# KiCad board FPGA_Board_BA.kicad_pcb
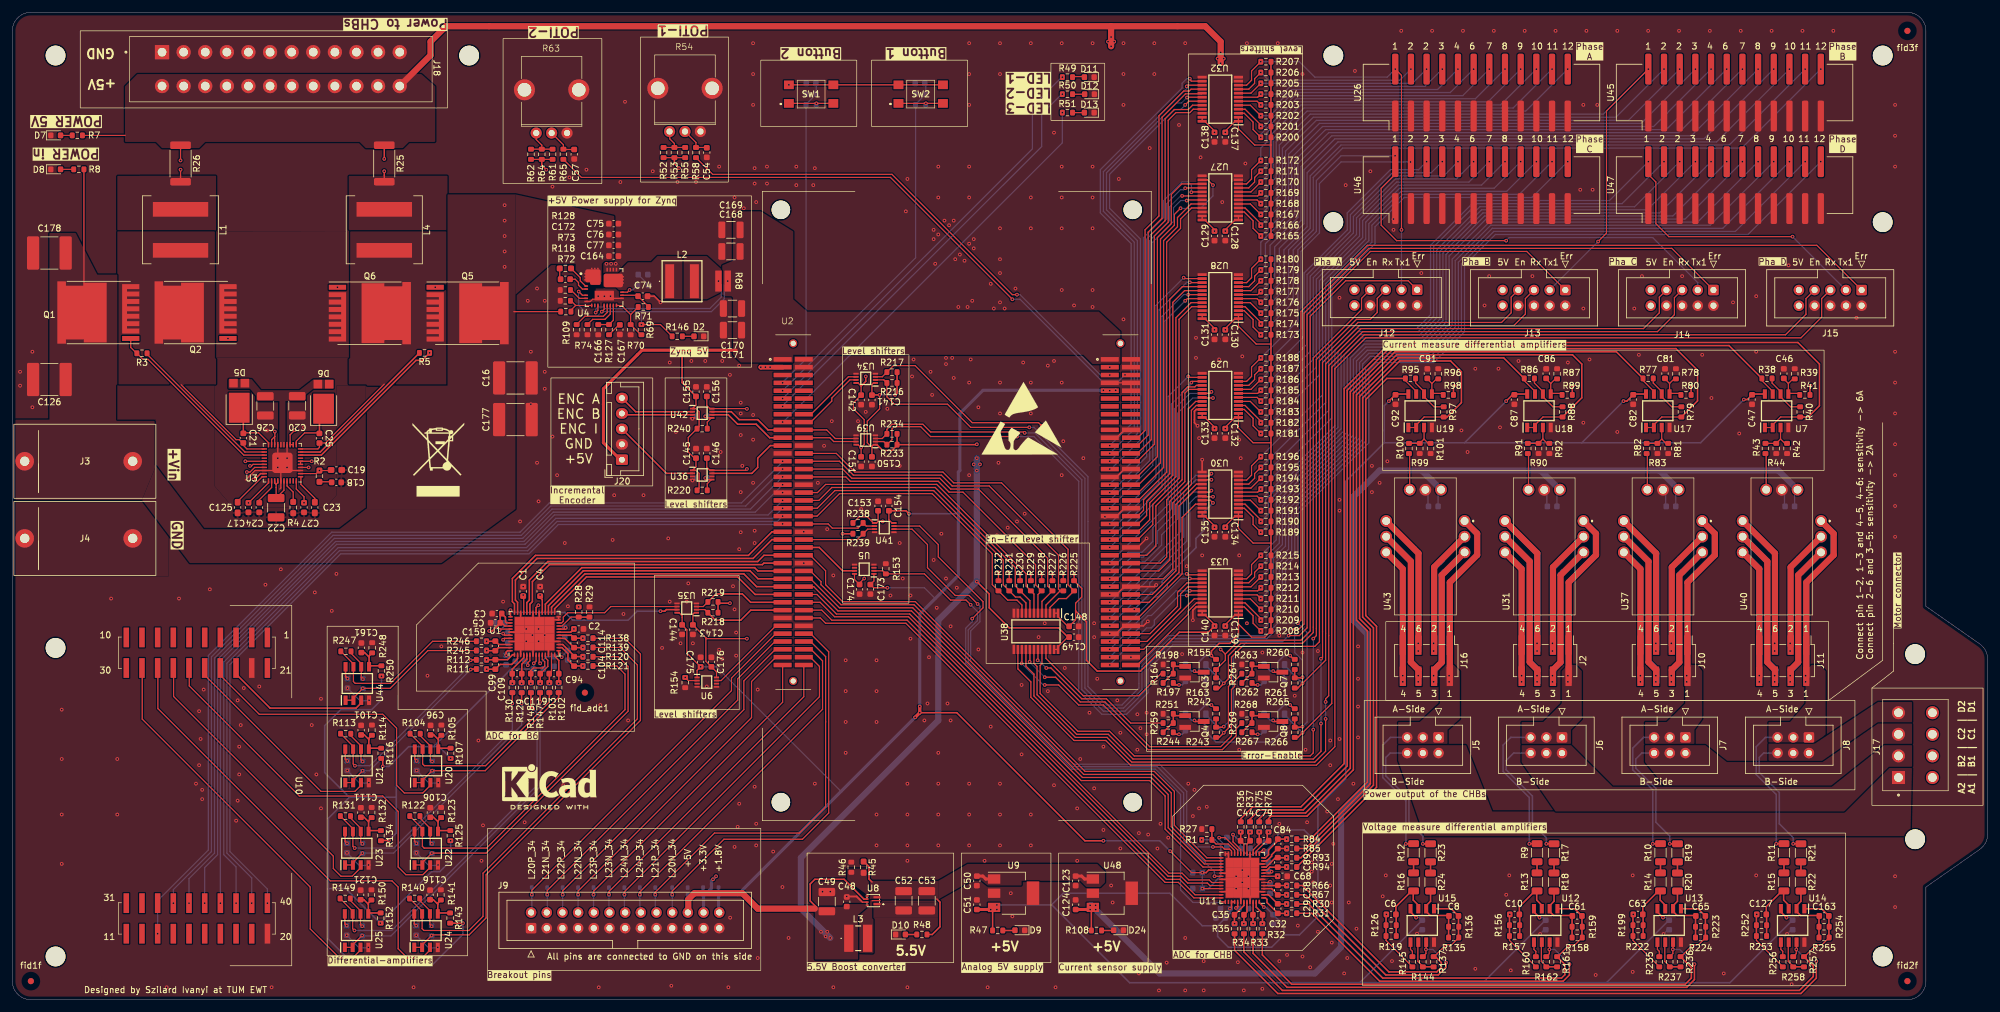
[diagram p0: board, top side]
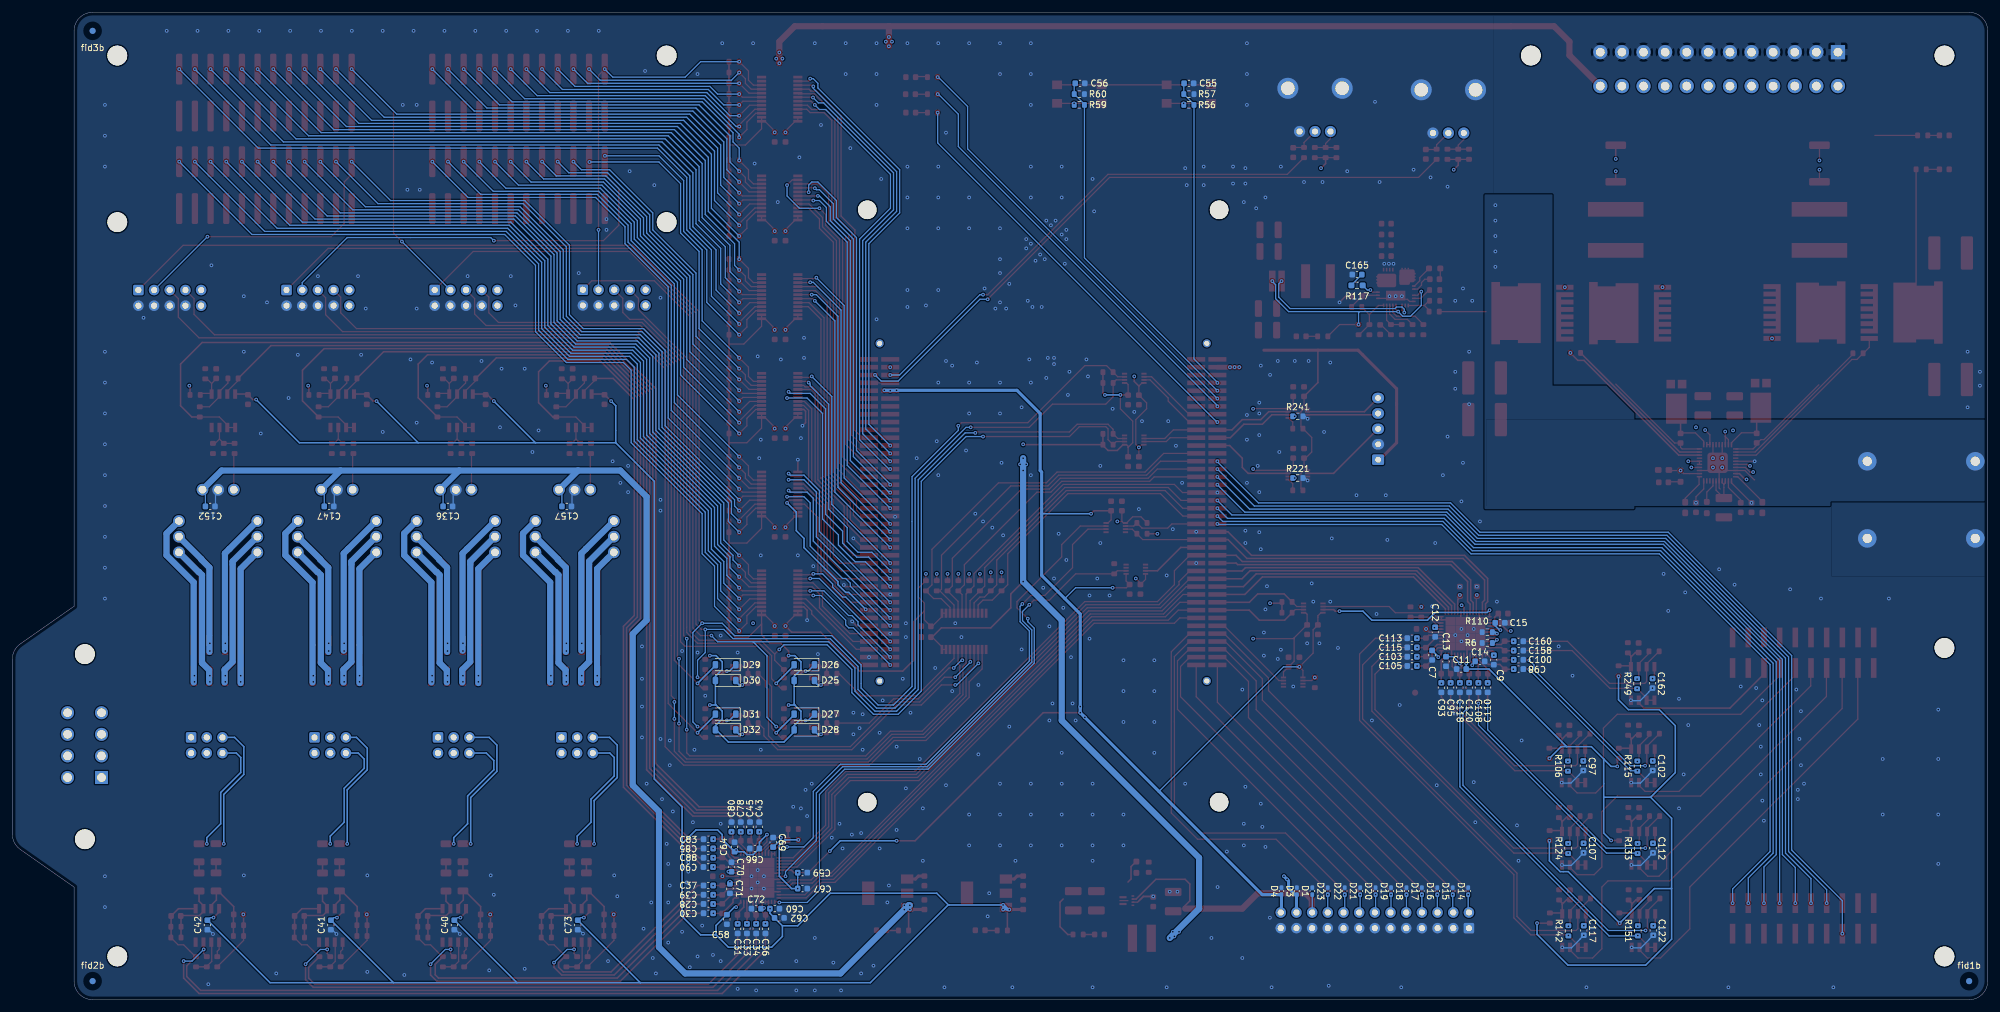
[diagram p1: board, bottom side, seen from below]

Outline 320 x 160 mm; copper layers: Top, In1.Cu, In2.Cu, Bottom. Coordinates in mm from the lower left corner of the outline.
Outline path: 0,157 arc(0.88,159.12) 3,160 307,160 arc(309.12,159.12) 310,157 310,63.75 318.72,57.65 arc(319.66,56.57) 320,55.19 320,26.81 arc(319.66,25.43) 318.72,24.35 310,18.25 310,3 arc(309.12,0.88) 307,0 3,0 arc(0.88,0.88) 0,3 0,157
Stack: Top 0.035mm / dielectric 0.1mm FR4 er 4.5 / In1.Cu 0.035mm / dielectric 1.24mm FR4 er 4.5 / In2.Cu 0.035mm / dielectric 0.1mm FR4 er 4.5 / Bottom 0.035mm

## Placement (name value [footprint] x y rotation side)
C1  1u_0603  [C_0603]  82.75 66.16 90 top
C2  1u_0603  [C_0603]  91.75 60.08 0 top
C3  100n_0603  [C_0603]  78.5 62.58 180 top
C4  100n_0603  [C_0603]  85.5 66.16 90 top
C5  100n_0603  [C_0603]  78.25 61.08 180 top
C6  100n_0603  [C_0603]  223.36 13.82 180 top
C7  100n_0603  [C_0603]  90 55.83 270 bottom
C8  100n_0603  [C_0603]  233.5 13.57 0 top
C9  100n_0603  [C_0603]  80 55.05 270 bottom
C10  100n_0603  [C_0603]  243.36 13.82 180 top
C11  1u_0603  [C_0603]  85.25 53.58 0 bottom
C12  10u_0603  [C_0603_1608Metric]  89.5 59.58 90 bottom
C13  10u_0603  [C_0603_1608Metric]  87.75 54.81 90 bottom
C14  10u_0603  [C_0603_1608Metric]  82.25 54.83 0 bottom
C15  10u_0603  [C_0603_1608Metric]  79 61.08 0 bottom
C16  25uF_2220  [C_2220_5650Metric_Pad1.97x5.40mm_HandSolder]  81.5 100.75 0 top
C17  4u7_0603  [C_0603]  38.25 79.75 270 top
C18  1n_0603  [C_0603]  52.5 83.84 0 top
C19  56pF_0603  [C_0603_1608Metric_Pad1.08x0.95mm_HandSolder]  52.5 85.84 0 top
C20  10u_1210  [C_1210]  46.17 96.27 270 top
C21  4u7_0603  [C_0603]  37.42 91 270 top
C22  10u_1210  [C_1210]  42.75 79.75 270 top
C23  120nF_0603  [C_0603_1608Metric_Pad1.08x0.95mm_HandSolder]  49 79.75 270 top
C24  1u_0603  [C_0603]  40 79.75 270 top
C25  4u7_0603  [C_0603]  49.75 90.98 270 top
C26  10u_1210  [C_1210]  41 96.25 270 top
C27  4u7_0603  [C_0603]  47.25 79.75 270 top
C28  15p_0603  [C_0603]  207.25 15.5 0 bottom
C29  15p_0603  [C_0603]  205 14.75 270 top
C30  15p_0603  [C_0603]  207.25 14 0 bottom
C31  15p_0603  [C_0603]  202.5 11.5 270 bottom
C32  15p_0603  [C_0603]  201.75 13.75 180 top
C33  15p_0603  [C_0603]  201 11.5 270 bottom
C34  15p_0603  [C_0603]  199.5 11.5 270 bottom
C35  15p_0603  [C_0603]  198.75 13.75 180 top
C36  15p_0603  [C_0603]  198 11.5 270 bottom
C37  15p_0603  [C_0603]  207.25 18.5 0 bottom
C38  15p_0603  [C_0603]  205 17.75 270 top
C39  15p_0603  [C_0603]  207.25 17 0 bottom
C40  100n_0603  [C_0603]  248.4 12.1 90 bottom
C41  100n_0603  [C_0603]  268.4 12.1 90 bottom
C42  100n_0603  [C_0603]  288.4 12.1 90 bottom
C43  15p_0603  [C_0603]  199 28 90 bottom
C44  15p_0603  [C_0603]  199.75 25.75 0 top
C45  15p_0603  [C_0603]  200.5 28 90 bottom
C46  100n_0603  [C_0603]  286.98 101.46 90 top
C47  100n_0603  [C_0603]  281.83 97.25 270 top
C48  100n_0603  [C_0603]  135.18 15.86 90 top
C49  10u_1210  [C_1210]  131.93 15.86 90 top
C50  1u_0603  [C_0603]  156.25 19.25 270 top
C51  1u_0603  [C_0603]  156.25 15.39 90 top
C52  10u_1210  [C_1210]  144.41 16.05 270 top
C53  10u_1210  [C_1210]  148.16 16.05 270 top
C54  100n_0603  [C_0603]  112.5 137.28 270 top
C55  100n_0603  [C_0603]  129.4 148.5 180 bottom
C56  100n_0603  [C_0603]  147.04 148.5 180 bottom
C57  100n_0603  [C_0603]  91.02 137 270 top
C58  1u_0603  [C_0603]  204.25 13 270 bottom
C59  1u_0603  [C_0603]  192 20.58 180 bottom
C60  100n_0603  [C_0603]  196.5 14.75 180 bottom
C61  100n_0603  [C_0603]  253.5 13.57 0 top
C62  100n_0603  [C_0603]  195.75 13.25 180 bottom
C63  100n_0603  [C_0603]  263.36 13.82 180 top
C64  100n_0603  [C_0603]  203 24.75 90 bottom
C65  100n_0603  [C_0603]  273.5 13.57 0 top
C66  100n_0603  [C_0603]  199.75 24.5 0 bottom
C67  100n_0603  [C_0603]  192 18 180 bottom
C68  1u_0603  [C_0603]  205.75 20 0 top
C69  10u_0603  [C_0603_1608Metric]  196.75 25.5 270 bottom
C70  10u_0603  [C_0603_1608Metric]  203.5 21.5 270 bottom
C71  10u_0603  [C_0603_1608Metric]  203.75 18 90 bottom
C72  10u_0603  [C_0603_1608Metric]  199.5 14.75 180 bottom
C73  100n_0603  [C_0603]  228.4 12.1 90 bottom
C74  470n_0603  [C_0603]  102.14 114 0 top
C75  4u7_0603  [C_0603]  97.41 125.75 0 top
C76  4u7_0603  [C_0603]  97.41 124 0 top
C77  4u7_0603  [C_0603]  97.41 122.25 0 top
C78  15p_0603  [C_0603]  202 28 90 bottom
C79  15p_0603  [C_0603]  202.75 25.75 0 top
C80  15p_0603  [C_0603]  203.5 28 90 bottom
C81  100n_0603  [C_0603]  267.73 101.46 90 top
C82  100n_0603  [C_0603]  262.58 97.25 270 top
C83  15p_0603  [C_0603]  207.25 26 0 bottom
C84  15p_0603  [C_0603]  205 25.25 270 top
C85  15p_0603  [C_0603]  207.25 24.5 0 bottom
C86  100n_0603  [C_0603]  248.48 101.46 90 top
C87  100n_0603  [C_0603]  243.33 97.25 270 top
C88  15p_0603  [C_0603]  207.25 23 0 bottom
C89  15p_0603  [C_0603]  205 22.25 270 top
C90  15p_0603  [C_0603]  207.27 21.5 0 bottom
C91  100n_0603  [C_0603]  229.23 101.46 90 top
C92  100n_0603  [C_0603]  224.08 97.25 270 top
C93  15p_0603  [C_0603]  88.5 50.58 270 bottom
C94  15p_0603  [C_0603]  87.75 52.83 180 top
C95  15p_0603  [C_0603]  87 50.58 270 bottom
C96  100n_0603  [C_0603]  67.75 43.68 90 top
C97  100n_0603  [C_0603]  65.5 37.91 270 bottom
C98  15p_0603  [C_0603]  76 53.58 180 bottom
C99  15p_0603  [C_0603]  78.25 54.33 90 top
C100  15p_0603  [C_0603]  76 55.08 180 bottom
C101  100n_0603  [C_0603]  56.5 43.68 90 top
C102  100n_0603  [C_0603]  54.25 37.91 270 bottom
C103  15p_0603  [C_0603]  93.25 55.58 0 bottom
C104  15p_0603  [C_0603]  91 54.83 270 top
C105  15p_0603  [C_0603]  93.25 54.08 0 bottom
C106  100n_0603  [C_0603]  67.71 30.33 90 top
C107  100n_0603  [C_0603]  65.46 24.56 270 bottom
C108  15p_0603  [C_0603]  82.5 50.58 270 bottom
C109  15p_0603  [C_0603]  81.75 52.83 180 top
C110  15p_0603  [C_0603]  81 50.58 270 bottom
C111  100n_0603  [C_0603]  56.46 30.33 90 top
C112  100n_0603  [C_0603]  54.21 24.56 270 bottom
C113  15p_0603  [C_0603]  93.25 58.58 0 bottom
C114  15p_0603  [C_0603]  91 57.83 270 top
C115  15p_0603  [C_0603]  93.25 57.08 0 bottom
C116  100n_0603  [C_0603]  67.67 16.97 90 top
C117  100n_0603  [C_0603]  65.42 11.21 270 bottom
C118  15p_0603  [C_0603]  85.5 50.58 270 bottom
C119  15p_0603  [C_0603]  84.75 52.83 180 top
C120  15p_0603  [C_0603]  84 50.58 270 bottom
C121  100n_0603  [C_0603]  56.42 16.97 90 top
C122  100n_0603  [C_0603]  54.17 11.21 270 bottom
C123  1u_0603  [C_0603]  172.25 19.25 270 top
C124  1u_0603  [C_0603]  172.25 15.39 90 top
C125  120nF_0603  [C_0603_1608Metric_Pad1.08x0.95mm_HandSolder]  36.5 79.75 270 top
C126  25uF_2220  [C_2220_5650Metric_Pad1.97x5.40mm_HandSolder]  6 100.5 180 top
C127  100n_0603  [C_0603]  283.36 13.82 180 top
C128  100n_0603  [C_0603]  196.5 123.77 90 top
C129  100n_0603  [C_0603]  194.75 123.77 270 top
C130  100n_0603  [C_0603]  196.5 107.77 90 top
C131  100n_0603  [C_0603]  194.75 107.77 270 top
C132  100n_0603  [C_0603]  196.5 91.77 90 top
C133  100n_0603  [C_0603]  194.75 91.77 270 top
C134  100n_0603  [C_0603]  196.5 75.77 90 top
C135  100n_0603  [C_0603]  194.75 75.77 270 top
C136  100n_0603  [C_0603]  249.45 79.93 0 bottom
C137  100n_0603  [C_0603]  196.5 139.77 90 top
C138  100n_0603  [C_0603]  194.75 139.77 270 top
C139  100n_0603  [C_0603]  196.5 59.77 90 top
C140  100n_0603  [C_0603]  194.75 59.77 270 top
C141  100n_0603  [C_0603]  139.25 97.19 90 top
C142  100n_0603  [C_0603]  137.5 97.19 270 top
C143  100n_0603  [C_0603]  110.25 59.96 90 top
C144  100n_0603  [C_0603]  108.5 59.96 270 top
C145  100n_0603  [C_0603]  110.75 88.53 270 top
C146  100n_0603  [C_0603]  112.5 88.53 90 top
C147  100n_0603  [C_0603]  268.7 79.93 0 bottom
C148  100n_0603  [C_0603]  171.98 60.5 180 top
C149  100n_0603  [C_0603]  171.98 58.75 0 top
C150  100n_0603  [C_0603]  139.25 87.19 90 top
C151  100n_0603  [C_0603]  137.5 87.19 270 top
C152  100n_0603  [C_0603]  287.95 79.93 0 bottom
C153  100n_0603  [C_0603]  140.25 80 270 top
C154  100n_0603  [C_0603]  142 80 90 top
C155  100n_0603  [C_0603]  110.75 98.53 270 top
C156  100n_0603  [C_0603]  112.5 98.53 90 top
C157  100n_0603  [C_0603]  230.2 79.93 0 bottom
C158  15p_0603  [C_0603]  76 56.58 180 bottom
C159  15p_0603  [C_0603]  78.25 57.33 90 top
C160  15p_0603  [C_0603]  76 58.08 180 bottom
C161  100n_0603  [C_0603]  56.54 57.03 90 top
C162  100n_0603  [C_0603]  54.29 51.26 270 bottom
C163  100n_0603  [C_0603]  293.5 13.57 0 top
C164  4u7_0603  [C_0603]  97.41 120.5 0 top
C165  4u7_0603  [C_0603]  102.16 117.5 0 bottom
C166  220p_0603  [R_0603_1608Metric]  94.91 108.58 90 top
C167  15n_0603  [C_0603]  98.41 108.58 270 top
C168  47u_1210  [C_1210_3225Metric]  116.41 121.25 0 top
C169  47u_1210  [C_1210_3225Metric]  116.41 124.75 0 top
C170  47u_1210  [C_1210_3225Metric]  116.66 108.5 0 top
C171  47u_1210  [C_1210_3225Metric]  116.66 112 0 top
C172  15n_0603  [C_0603]  89.59 116.75 0 top
C173  100n_0603  [C_0603]  139 66.5 90 top
C174  100n_0603  [C_0603]  137.25 66.5 270 top
C175  100n_0603  [C_0603]  111.5 54.71 270 top
C176  100n_0603  [C_0603]  113.25 54.71 90 top
C177  25uF_2220  [C_2220_5650Metric_Pad1.97x5.40mm_HandSolder]  81.5 94 0 top
C178  25uF_2220  [C_2220_5650Metric_Pad1.97x5.40mm_HandSolder]  6 121 180 top
D1  B72590D50H160  [C_0402_1005Metric_Pad0.74x0.62mm_HandSolder]  109.41 17.59 90 bottom
D2  LED_G_0603  [LED_0603_1608Metric]  111.21 107.5 180 top
D3  B72590D50H160  [C_0402_1005Metric_Pad0.74x0.62mm_HandSolder]  111.91 17.59 90 bottom
D4  B72590D50H160  [C_0402_1005Metric_Pad0.74x0.62mm_HandSolder]  114.41 17.59 90 bottom
D5  SBR10U200P5-13  [SBR10U200P5]  36.75 96.75 90 top
D6  SBR10U200P5-13  [SBR10U200P5]  50.42 96.59 90 top
D7  LED_G_0603  [LED_0603_1608Metric]  7.02 140.06 0 top
D8  LED_G_0603  [LED_0603_1608Metric]  7.02 134.56 0 top
D9  LED_G_0603  [LED_0603_1608Metric]  163.21 11.25 180 top
D10  LED_G_0603  [LED_0603_1608Metric]  143.88 10.56 0 top
D11  LED_B_0603  [LED_0603_1608Metric]  174.46 149.5 180 top
D12  LED_G_0603  [LED_0603_1608Metric]  174.5 146.73 180 top
D13  LED_R_0603  [LED_0603_1608Metric]  174.46 143.75 180 top
D14  B72590D50H160  [C_0402_1005Metric_Pad0.74x0.62mm_HandSolder]  84.16 17.59 90 bottom
D15  B72590D50H160  [C_0402_1005Metric_Pad0.74x0.62mm_HandSolder]  86.66 17.59 90 bottom
D16  B72590D50H160  [C_0402_1005Metric_Pad0.74x0.62mm_HandSolder]  89.16 17.59 90 bottom
D17  B72590D50H160  [C_0402_1005Metric_Pad0.74x0.62mm_HandSolder]  91.66 17.59 90 bottom
D18  B72590D50H160  [C_0402_1005Metric_Pad0.74x0.62mm_HandSolder]  94.16 17.59 90 bottom
D19  B72590D50H160  [C_0402_1005Metric_Pad0.74x0.62mm_HandSolder]  96.66 17.59 90 bottom
D20  B72590D50H160  [C_0402_1005Metric_Pad0.74x0.62mm_HandSolder]  99.16 17.59 90 bottom
D21  B72590D50H160  [C_0402_1005Metric_Pad0.74x0.62mm_HandSolder]  101.66 17.59 90 bottom
D22  B72590D50H160  [C_0402_1005Metric_Pad0.74x0.62mm_HandSolder]  104.16 17.59 90 bottom
D23  B72590D50H160  [C_0402_1005Metric_Pad0.74x0.62mm_HandSolder]  106.91 17.59 90 bottom
D24  LED_G_0603  [LED_0603_1608Metric]  179.21 11.25 180 top
D25  D_B130LAW-7-F  [DO_SOD_123]  191.65 51.78 0 bottom
D26  D_B130LAW-7-F  [DO_SOD_123]  191.65 54.33 0 bottom
D27  D_B130LAW-7-F  [DO_SOD_123]  191.65 46.33 0 bottom
D28  D_B130LAW-7-F  [DO_SOD_123]  191.65 43.78 0 bottom
D29  D_B130LAW-7-F  [DO_SOD_123]  204.4 54.33 0 bottom
D30  D_B130LAW-7-F  [DO_SOD_123]  204.4 51.78 0 bottom
D31  D_B130LAW-7-F  [DO_SOD_123]  204.4 46.33 0 bottom
D32  D_B130LAW-7-F  [DO_SOD_123]  204.4 43.78 0 bottom
fid1b  -  [Fiducial_1mm_Mask3mm]  3 3 180 bottom
fid1f  -  [Fiducial_1mm_Mask3mm]  3 3 0 top
fid2b  -  [Fiducial_1mm_Mask3mm]  307 3 180 bottom
fid2f  -  [Fiducial_1mm_Mask3mm]  307 3 0 top
fid3b  -  [Fiducial_1mm_Mask3mm]  307 157 180 bottom
fid3f  -  [Fiducial_1mm_Mask3mm]  307 157 0 top
fid_adc1  -  [Fiducial_1mm_Mask3mm]  92.75 49.75 0 top
J2  PinHeader_2x4_SMD  [PinHeader_2x04_P2.54mm_Vertical_SMD]  248.31 54.93 270 top
J3  Banana_Socket_Red  [Banana_Socket_Altech_Red]  0.25 87.25 0 top
J4  Banana_Socket_Black  [Banana_Socket_Aletch_Black]  12 75.5 0 top
J5  Box_Header_6pin  [IDC-Header_2x03_P2.54mm_Vertical]  231.05 42.5 270 top
J6  Box_Header_6pin  [IDC-Header_2x03_P2.54mm_Vertical]  251.05 42.5 270 top
J7  Box_Header_6pin  [IDC-Header_2x03_P2.54mm_Vertical]  271.05 42.5 270 top
J8  Box_Header_6pin  [IDC-Header_2x03_P2.54mm_Vertical]  291.05 42.5 270 top
J9  Box_Header_26pin  [IDC-Header_2x13_P2.54mm_Vertical]  84.03 11.59 90 top
J10  PinHeader_2x4_SMD  [PinHeader_2x04_P2.54mm_Vertical_SMD]  267.56 54.93 270 top
J11  PinHeader_2x4_SMD  [PinHeader_2x04_P2.54mm_Vertical_SMD]  286.81 54.93 270 top
J12  Box_Header_2x05_THT  [IDC-Header_2x05_P2.54mm_Vertical]  227.58 115.04 270 top
J13  Box_Header_2x05_THT  [IDC-Header_2x05_P2.54mm_Vertical]  251.58 115 270 top
J14  Box_Header_2x05_THT  [IDC-Header_2x05_P2.54mm_Vertical]  275.58 115 270 top
J15  Box_Header_2x05_THT  [IDC-Header_2x05_P2.54mm_Vertical]  299.58 115 270 top
J16  PinHeader_2x4_SMD  [PinHeader_2x04_P2.54mm_Vertical_SMD]  229.06 54.93 270 top
J17  -  [Plug_Terminal_2x4_Vertical]  308.26 41 90 top
J18  Plug_Terminal_2x12pin  [DMCV 1,5_12-G1F-3,5-LR P20THR]  43.5 151 0 top
J20  JST_XH_05_vertical  [JST_XH_B5B-XH-A_1x05_P2.50mm_Vertical]  98.75 87.5 90 top
L1  XAL1010-152MED  [L_Coilcraft_XAL1010-XXX]  27.25 124.75 270 top
L2  Inductor 5.6uH  [L_5u6_78439346056]  108.46 116.5 90 top
L3  SMD_Inductor_1u  [74404043010A]  137 10 270 top
L4  XAL1010-152MED  [L_Coilcraft_XAL1010-XXX]  60.25 124.75 270 top
Q1  IPT017N12NM6  [Infineon_PG-HSOF-8-1]  13.93 111.35 180 top
Q2  IPT017N12NM6  [Infineon_PG-HSOF-8-1]  29.68 111.35 180 top
Q3  NTR5103NT1G  [SOT-23_Handsoldering]  191.5 53.08 0 top
Q4  NTR5103NT1G  [SOT-23_Handsoldering]  191.5 45.08 0 top
Q5  IPT017N12NM6  [Infineon_PG-HSOF-8-1]  73.75 111.25 0 top
Q6  IPT017N12NM6  [Infineon_PG-HSOF-8-1]  57.92 111.25 0 top
Q7  NTR5103NT1G  [SOT-23_Handsoldering]  204.25 53.08 0 top
Q8  NTR5103NT1G  [SOT-23_Handsoldering]  204.25 45.08 0 top
R1  0R_0603  [R_0603_1608Metric]  193.5 25.9 180 top  (not fitted)
R2  25k5_0603  [R_0603_1608Metric_Pad0.98x0.95mm_HandSolder]  49.75 84.84 90 top
R3  2R2_0603  [R_0603_1608Metric]  21 104.75 0 top
R4  39k2_0603  [R_0603_1608Metric_Pad0.98x0.95mm_HandSolder]  45.5 79.75 90 top
R5  2R2_0603  [R_0603_1608Metric]  66.77 104.81 180 top
R6  1k_0603  [R_0603_1608Metric]  81.07 57.8 0 bottom
R7  10k_0603  [R_0603_1608Metric]  10.53 140.06 180 top
R8  100k_0603  [R_0603_1608Metric]  10.77 134.56 180 top
R9  100k_1206  [R_1206_3216Metric]  247 23.82 270 top
R10  100k_1206  [R_1206_3216Metric]  267 23.82 270 top
R11  100k_1206  [R_1206_3216Metric]  287 23.82 270 top
R12  100k_1206  [R_1206_3216Metric]  227 23.82 270 top
R13  100k_1206  [R_1206_3216Metric]  247 19.08 270 top
R14  100k_1206  [R_1206_3216Metric]  267 19.08 270 top
R15  100k_1206  [R_1206_3216Metric]  287 19.08 270 top
R16  100k_1206  [R_1206_3216Metric]  227 19.08 270 top
R17  100k_1206  [R_1206_3216Metric]  249.75 23.8 270 top
R18  100k_1206  [R_1206_3216Metric]  249.75 19.07 270 top
R19  100k_1206  [R_1206_3216Metric]  269.75 23.8 270 top
R20  100k_1206  [R_1206_3216Metric]  269.75 19.07 270 top
R21  100k_1206  [R_1206_3216Metric]  289.75 23.8 270 top
R22  100k_1206  [R_1206_3216Metric]  289.75 19.07 270 top
R23  100k_1206  [R_1206_3216Metric]  229.75 23.8 270 top
R24  100k_1206  [R_1206_3216Metric]  229.75 19.07 270 top
R25  0R002_2512  [R_2512_6332Metric]  60.25 135.5 270 top
R26  0R002_2512  [R_2512_6332Metric]  27.25 135.5 270 top
R27  0R_0603  [R_0603_1608Metric]  193.5 27.65 180 top
R28  0R_0603  [R_0603_1608Metric]  91.75 62.83 90 top
R29  0R_0603  [R_0603_1608Metric]  93.5 62.83 90 top  (not fitted)
R30  30R_0603  [R_0603_1608Metric]  207.25 15.5 0 top
R31  30R_0603  [R_0603_1608Metric]  207.25 14 0 top
R32  30R_0603  [R_0603_1608Metric]  202.5 11.5 270 top
R33  30R_0603  [R_0603_1608Metric]  201 11.5 270 top
R34  30R_0603  [R_0603_1608Metric]  199.5 11.5 270 top
R35  30R_0603  [R_0603_1608Metric]  198 11.5 270 top
R36  30R_0603  [R_0603_1608Metric]  199 28 90 top
R37  30R_0603  [R_0603_1608Metric]  200.5 28 90 top
R38  500R_0603  [R_0603_1608Metric]  284.25 100.68 0 top
R39  5k1_0603  [R_0603_1608Metric]  288.75 101.43 270 top
R40  500R_0603  [R_0603_1608Metric]  289.64 95.25 270 top
R41  5k1_0603  [R_0603_1608Metric]  290.39 98 0 top
R42  9k1_0603  [R_0603_1608Metric]  287.5 89.33 270 top
R43  1k_0603  [R_0603_1608Metric]  284 89.33 90 top
R44  9k1_0603  [R_0603_1608Metric]  285.75 89.33 270 top
R45  820k_0603  [R_0603_1608Metric_Pad0.98x0.95mm_HandSolder]  137.91 21.46 270 top
R46  100k_0603  [R_0603_1608Metric]  135.91 21.46 90 top
R47  10k_0603  [R_0603_1608Metric]  159.63 11.21 0 top
R48  10k_0603  [R_0603_1608Metric]  147.35 10.56 180 top
R49  10k_0603  [R_0603_1608Metric]  170.93 149.5 0 top
R50  10k_0603  [R_0603_1608Metric]  170.93 146.74 0 top
R51  10k_0603  [R_0603_1608Metric]  170.93 143.75 0 top
R52  10k_0603  [R_0603_1608Metric]  105.5 137.28 90 top
R53  10k_0603  [R_0603_1608Metric]  107.25 137.28 90 top
R54  Poti_10k  [RK09D1130A1N]  108.97 147.55 0 top
R55  10k_0603  [R_0603_1608Metric]  109 137.28 90 top
R56  100R_0603  [R_0603_1608Metric]  129.4 145 180 bottom
R57  10k_0603  [R_0603_1608Metric]  129.4 146.75 180 bottom
R58  100R_0603  [R_0603_1608Metric]  110.75 137.28 270 top
R59  100R_0603  [R_0603_1608Metric]  147.15 145 180 bottom
R60  10k_0603  [R_0603_1608Metric]  147.15 146.75 180 bottom
R61  10k_0603  [R_0603_1608Metric]  87.52 137 90 top
R62  10k_0603  [R_0603_1608Metric]  84.02 137 90 top
R63  Poti_10k  [RK09D1130A1N]  87.36 147.3 0 top
R64  10k_0603  [R_0603_1608Metric]  85.77 137 90 top
R65  100R_0603  [R_0603_1608Metric]  89.27 137 270 top
R66  30R_0603  [R_0603_1608Metric]  207.25 18.5 0 top
R67  30R_0603  [R_0603_1608Metric]  207.25 17 0 top
R68  Shunt_0R006  [PRL1632-R006-F-T1]  115.16 116.5 0 top
R69  52K3_0603  [R_0603_1608Metric]  101.91 108.58 270 top
R70  10k_0603  [R_0603_1608Metric]  100.16 108.58 270 top
R71  24k9_0603  [R_0603_1608Metric]  102.21 112.25 0 top  (not fitted)
R72  0R_0603  [R_0603_1608Metric]  89.66 111.5 0 top
R73  100k_0603  [R_0603_1608Metric]  89.59 115 0 top
R74  71k5_0603  [R_0603_1608Metric]  93.16 108.58 90 top
R75  30R_0603  [R_0603_1608Metric]  202 28 90 top
R76  30R_0603  [R_0603_1608Metric]  203.5 28 90 top
R77  500R_0603  [R_0603_1608Metric]  265 100.68 0 top
R78  5k1_0603  [R_0603_1608Metric]  269.5 101.43 270 top
R79  500R_0603  [R_0603_1608Metric]  270.39 95.25 270 top
R80  5k1_0603  [R_0603_1608Metric]  271.14 98 0 top
R81  9k1_0603  [R_0603_1608Metric]  268.25 89.33 270 top
R82  1k_0603  [R_0603_1608Metric]  264.75 89.33 90 top
R83  9k1_0603  [R_0603_1608Metric]  266.5 89.33 270 top
R84  30R_0603  [R_0603_1608Metric]  207.25 26 0 top
R85  30R_0603  [R_0603_1608Metric]  207.25 24.5 0 top
R86  500R_0603  [R_0603_1608Metric]  245.75 100.68 0 top
R87  5k1_0603  [R_0603_1608Metric]  250.25 101.43 270 top
R88  500R_0603  [R_0603_1608Metric]  251.14 95.25 270 top
R89  5k1_0603  [R_0603_1608Metric]  251.89 98 0 top
R90  9k1_0603  [R_0603_1608Metric]  247.25 89.33 270 top
R91  1k_0603  [R_0603_1608Metric]  245.5 89.33 90 top
R92  9k1_0603  [R_0603_1608Metric]  249 89.33 270 top
R93  30R_0603  [R_0603_1608Metric]  207.25 23 0 top
R94  30R_0603  [R_0603_1608Metric]  207.25 21.5 0 top
R95  500R_0603  [R_0603_1608Metric]  226.5 100.68 0 top
R96  5k1_0603  [R_0603_1608Metric]  231 101.43 270 top
R97  500R_0603  [R_0603_1608Metric]  231.89 95.25 270 top
R98  5k1_0603  [R_0603_1608Metric]  232.64 98 0 top
R99  9k1_0603  [R_0603_1608Metric]  228 89.33 270 top
R100  1k_0603  [R_0603_1608Metric]  226.25 89.33 90 top
R101  9k1_0603  [R_0603_1608Metric]  229.75 89.33 270 top
R102  30R_0603  [R_0603_1608Metric]  88.5 50.58 270 top
R103  30R_0603  [R_0603_1608Metric]  87 50.58 270 top
R104  500R_0603  [R_0603_1608Metric]  65.25 43.1 0 top
R105  5k1_0603  [R_0603_1608Metric]  69.5 43.68 270 top
R106  500R_0603  [R_0603_1608Metric]  68 37.85 270 bottom
R107  5k1_0603  [R_0603_1608Metric]  71 39.93 270 top
R108  10k_0603  [R_0603_1608Metric]  175.63 11.21 0 top
R109  41k2_0603  [R_0603_1608Metric]  91.41 108.58 90 top
R110  1k_0603  [R_0603_1608Metric]  81.07 59.55 0 bottom
R111  30R_0603  [R_0603_1608Metric]  76 53.58 180 top
R112  30R_0603  [R_0603_1608Metric]  76 55.08 180 top
R113  500R_0603  [R_0603_1608Metric]  54 43.1 0 top
R114  5k1_0603  [R_0603_1608Metric]  58.25 43.68 270 top
R115  500R_0603  [R_0603_1608Metric]  56.75 37.85 270 bottom
R116  5k1_0603  [R_0603_1608Metric]  59.75 39.93 270 top
R117  1R_0603  [R_0603_1608Metric_Pad0.98x0.95mm_HandSolder]  102.16 115.75 0 bottom
R118  0R_0603  [R_0603_1608Metric]  89.59 113.25 0 top  (not fitted)
R119  1k_0603  [R_0603_1608Metric]  223.36 10.32 180 top
R120  30R_0603  [R_0603_1608Metric]  93.25 55.58 0 top